# KiCad board HermEIS.kicad_pcb (continued)
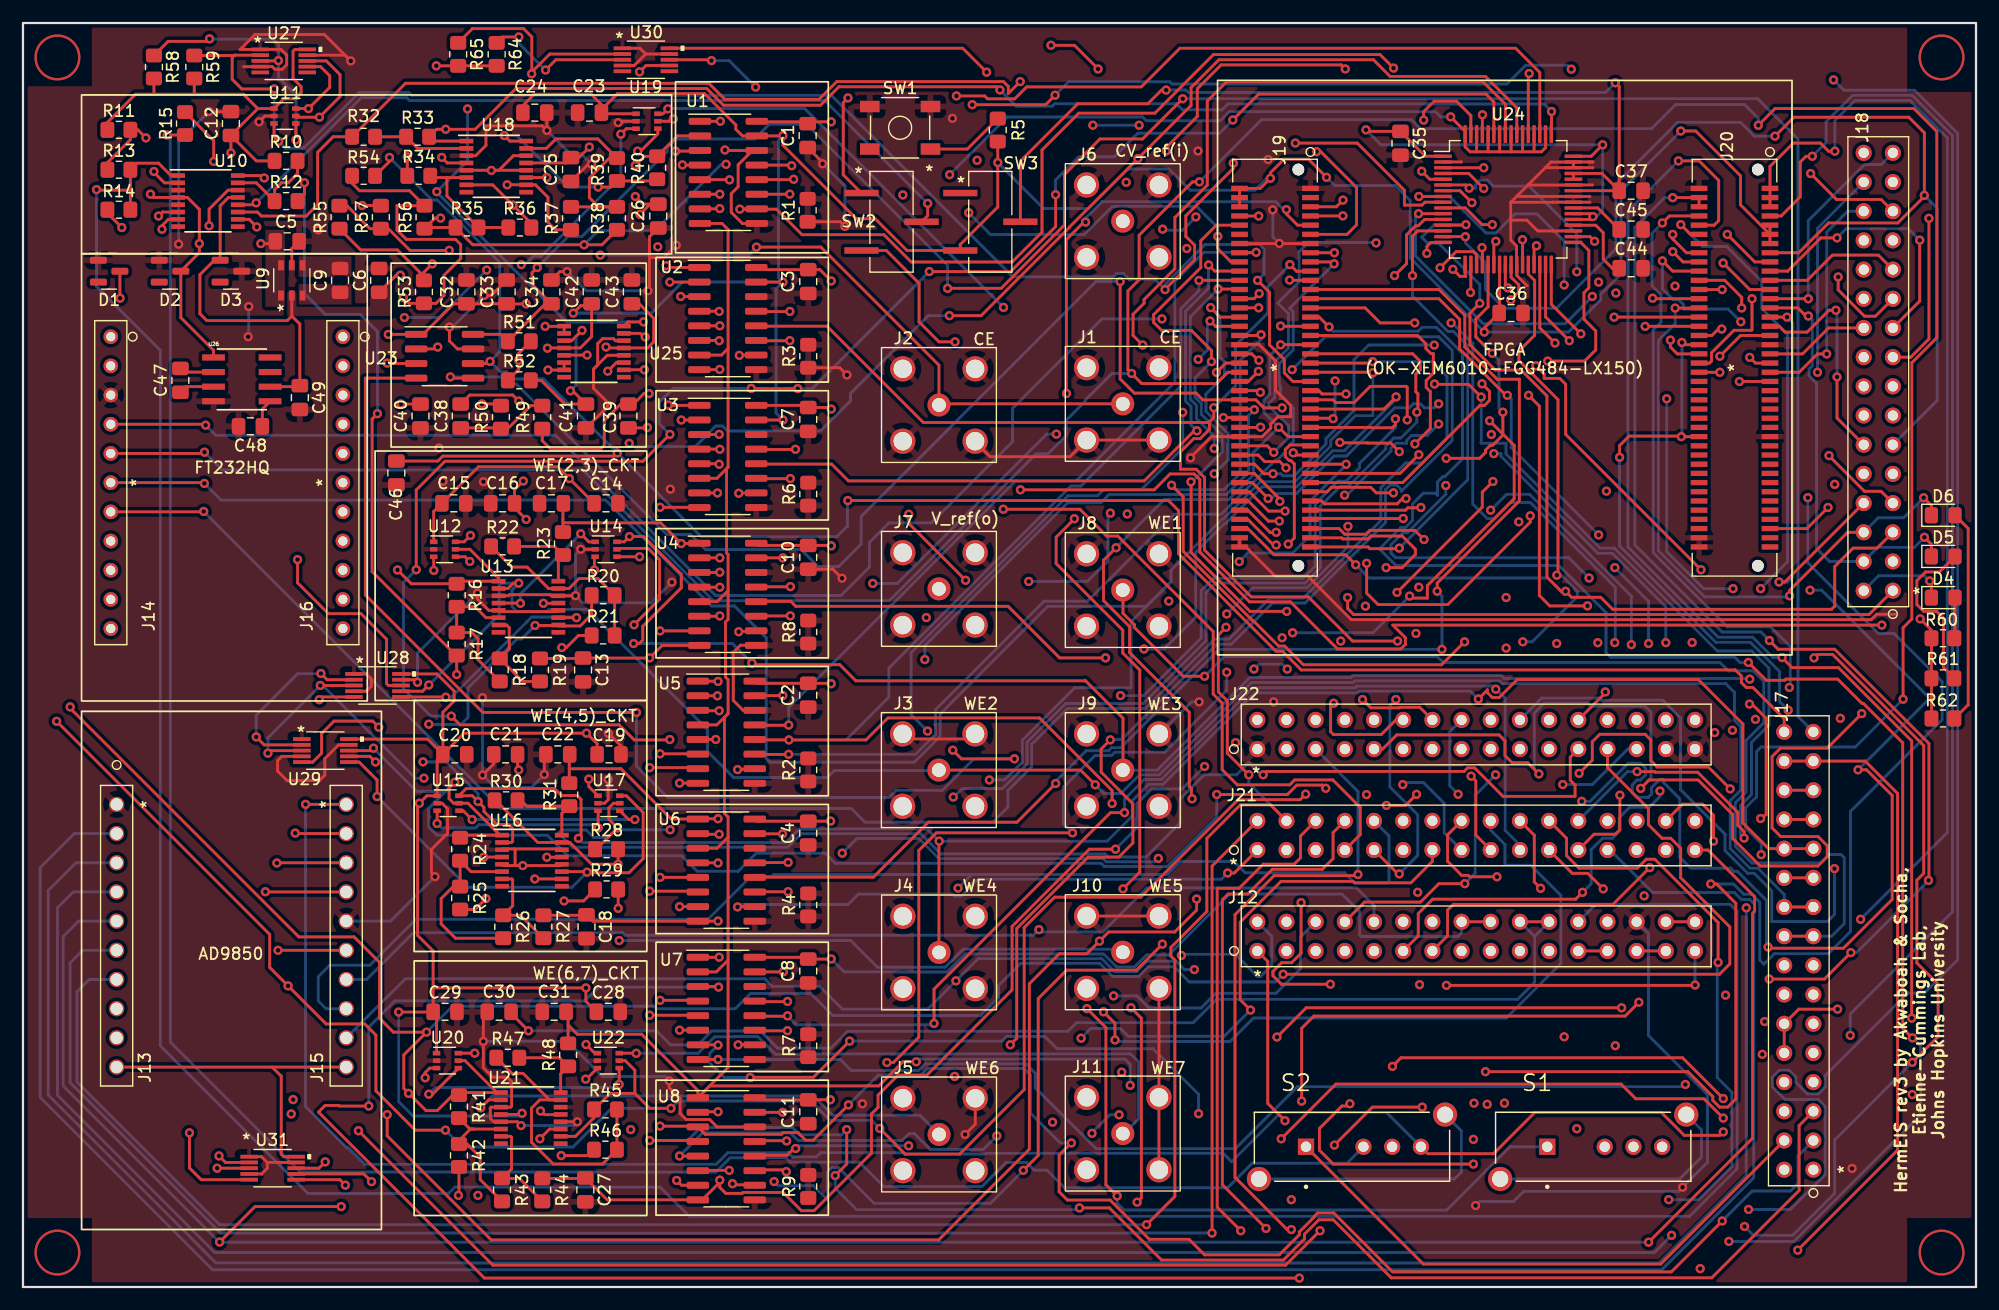
[diagram p0: board, top side]
## Routing (per net, layer and track width the routed paths; a pad name or vN(x,y) marks a point on that pad's centre or on a via; arc(x,y) is an arc through that point) (continued)
/CV_DAC: length 178.6
  Top w0.25: v2(71.8,68.44) 99.71,68.44 100.58,67.57 100.58,63.81 109.07,55.33 109.64,55.33 111.26,53.7 149.05,53.7 149.57,53.18 149.57,52.6 150,52.18 150.57,52.18 153.3,49.45 153.3,48.31 ; v2(31.9,98.3) 31.9,97.95 R54.1 ; U23.6 40.47,80.37 v2(40.65,80.55) ; v2(51.73,72.58) 51.46,72.31 36.54,72.31 36.11,71.88 C46.1
  Bottom w0.25: v2(31.9,98.3) 35.61,94.6 36.06,94.6 41.5,89.15 41.5,81.4 v2(40.65,80.55) 41.55,79.65 42.09,79.65 42.71,79.03 45.3,79.03 59.03,65.3 70.84,65.3 71.76,66.22 71.76,68.4 v2(71.8,68.44)
/CV_ref: length 156.7
  Top w0.25: v2(81.13,82.26) 79.73,82.26 78,83.99 78,87.35 75.15,90.2 SW2.3 ; v2(96.44,24.31) 97.35,23.4 97.35,7.75 v2(96.98,7.38)
  In1.Cu w0.25: v2(96.44,24.31) 96.44,24.36 97.1,25.02 97.1,32.34 97.32,32.56 97.32,36.68 96.62,37.38 96.62,40.28 97.14,40.8 97.14,54.93 92.23,59.84 81.48,59.84 79.89,58.26 v2(78.63,58.26) ; S1.2 137.68,11.13 132.12,5.57 126.14,5.57 123.08,8.63 109.82,8.63 107.89,6.7 97.67,6.7 v2(96.98,7.38)
  In2.Cu w0.25: v2(78.63,58.26) 78.63,58.36 76.63,60.36 76.63,61.46 81.16,65.99 81.16,82.23 v2(81.13,82.26)
/CV_S1: length 139
  Top w0.25: v2(95.75,34.65) 97.21,36.11 97.21,53.69 95.73,55.17 95.73,57.16 89.93,62.96 89.93,65.26 91.51,66.84 v2(91.51,66.86) ; v2(95.24,7.93) 94.26,8.91 94.26,22.58 v2(92.61,24.23)
  In1.Cu w0.25: v2(92.61,24.23) 91.82,24.23 90.22,25.83 90.22,32.83 92.05,34.65 v2(95.75,34.65) ; 95.75,92.68 94.63,91.56 94.63,79.57 90.83,75.77 90.83,67.54 v2(91.51,66.86)
  Bottom w0.25: S1.1 129.44,12.21 123.93,6.7 95.83,6.7 95.24,7.28 v2(95.24,7.93)
/CV_S2: length 320.4
  Top w0.25: v2(112.9,4.9) 109.9,1.9 40.9,1.9 v2(29.2,13.6) ; R57.2 31.13,94.12 v2(29.52,94.12) ; v2(54.01,83.99) 52.67,83.99 U25.16
  In1.Cu w0.25: v2(29.2,13.6) 25.9,16.9 25.9,43.3 18.1,51.1 5.3,51.1 3,53.4 3,100.2 8.11,105.31 37.49,105.31 38.7,104.1 v2(38.7,102.53) ; S1.3 132.88,4.9 v2(112.9,4.9)
  In2.Cu w0.25: S1.3 142.17,10.21 J17.B1 ; v2(36.02,95.32) 34.82,94.12 v2(29.52,94.12)
  Bottom w0.25: v2(38.7,102.53) 38.7,98 v2(36.02,95.32) 36.02,95.27 47.3,83.99 v2(54.01,83.99)
/D7: length 9.1
  Top w0.25: J20.37 154.91,81.21 157.16,83.46 J18.B10
/D8: length 15.5
  Top w0.25: v2(150.3,80.9) 150.79,80.41 J20.39
  In1.Cu w0.25: v2(150.3,80.9) 153.4,80.9 157.07,84.58 157.07,85.39 J18.B12
/D9: length 28.2
  Top w0.25: J20.32 141.21,83.61 v2(141.2,83.6)
  In1.Cu w0.25: J18.B7 146.86,75.84 141.2,81.5 v2(141.2,83.6)
/D10: length 22.6
  Top w0.25: J20.38 143.99,81.21 143.4,81.8 v2(143.4,82.4)
  In2.Cu w0.25: J18.B11 157.32,83.1 149.16,83.1 147.96,84.3 145.3,84.3 v2(143.4,82.4)
/D11: length 30.2
  Top w0.25: v2(147.7,79.6) 145.9,79.6 J20.42
  In1.Cu w0.25: v2(156.2,79.6) 154.5,77.9 149,77.9 147.7,79.2 v2(147.7,79.6)
  Bottom w0.25: v2(156.2,79.6) 156.2,92.14 J18.B15
/D14: length 37
  Top w0.25: v2(165.51,65.25) 166.12,64.64 166.12,63.62 ; J20.27 154.49,85.21 155.2,84.5 v2(155.4,84.5)
  Bottom w0.25: v2(165.51,65.25) 164.63,64.37 161.45,64.37 J18.B2 157.26,63.14 156.12,64.28 156.12,78.65 155.47,79.3 155.47,79.9 155.75,80.18 155.75,84.15 v2(155.4,84.5)
/D17: length 20.5
  Top w0.25: J20.33 149.51,82.81 v2(147.7,81)
  In2.Cu w0.25: v2(147.7,81) 148.42,80.28 148.42,78.33 148.4,78.3 149.02,77.68 159.52,77.68 J18.B8
/D20: length 78.7
  Top w0.25: v2(107.6,86.45) 107.16,86.01 J19.26 ; v2(139,42.8) 139,39.8 138.6,39.4 136.75,39.4 J21.A12
  In1.Cu w0.25: v2(138.55,56.08) 138.94,55.68 138.94,42.86 v2(139,42.8)
  In2.Cu w0.25: v2(107.6,86.45) 107.91,86.76 116.37,86.76 118.05,85.08 123.13,85.08 v2(124.31,83.9)
  Bottom w0.25: v2(138.55,56.08) 138.6,56.13 138.6,60.88 131.21,68.27 129.45,68.27 128.05,66.88 127.45,66.88 126.2,68.12 126.2,82.1 124.4,83.9 v2(124.31,83.9)
/D21: length 144.7
  Top w0.25: v2(130.52,91.14) 130.53,91.13 130.53,88.98 ; v2(119.29,69.11) 117.79,69.11 117.31,69.59 113.9,69.59 113.51,69.2 J19.67 ; v2(131.7,80.16) 132.41,79.45 132.41,79.08 133.76,79.08 134.28,78.56 134.28,74.2 v2(146.06,62.42)
  In1.Cu w0.25: v2(119.29,69.11) 121.1,70.93 124.48,70.93 126.53,72.98 127.45,72.98 127.72,73.25 128.11,73.25 128.57,73.71 128.57,73.74 132.18,77.35 132.18,77.5 130.52,79.16 130.52,80.7 ; v2(158.19,49.49) 153.71,53.97 152.9,53.97 146.06,60.81 v2(146.06,62.42) ; 130.52,80.7 131.16,80.7 v2(131.7,80.16) ; 130.52,80.7 v2(130.52,91.14)
  In2.Cu w0.25: v2(157.68,36.41) 157.68,48.98 v2(158.19,49.49)
  Bottom w0.25: v2(157.68,36.41) 157.68,32.42 157.06,31.8 152.23,31.8 152.22,31.81 152.22,34.47 150.69,36 150.13,36 148.15,37.98 148.15,39.41 144.28,43.28 144.28,49.52 142.74,51.06 137.43,51.06 137.24,51.25 132.2,51.25 J22.B10
/D22: length 70.8
  Top w0.25: J19.69 113.04,68.4 113.29,68.16 119.61,68.16 120.07,68.61 v2(120.39,68.61) ; J22.B12 137.73,51.7 v2(137.73,51.79) ; 131.53,88.98 131.53,90.4 v2(131.74,90.61)
  In1.Cu w0.25: v2(137.73,51.79) 137.83,51.79 138.2,52.16 138.2,54.95 v2(137.08,56.07) ; v2(130.2,66.59) 129.79,66.19 119.83,66.19 119.42,66.59 119.42,68.1 119.93,68.61 v2(120.39,68.61)
  In2.Cu w0.25: v2(131.74,90.61) 131.74,87.11 130.2,85.57 v2(130.2,66.59) 135.29,61.5 135.29,59.97 135.45,59.81 135.45,58.98 135.88,58.55 136.3,58.55 137.08,57.77 v2(137.08,56.07)
/D_0: length 240.4
  Top w0.25: J21.B4 114.04,39.55 114.04,37.29 113.1,36.35 108.75,36.35 106.6,34.2 104.9,34.2 104.4,33.7 104.4,8.9 v2(108.2,5.1) ; v2(121.3,42.87) 120.34,41.91 v2(118.68,41.91) ; v2(99.98,69.77) 100.99,68.76 100.99,64.03 107.06,57.95 107.12,57.95 109.3,55.78 109.83,55.78 111.45,54.15 123.48,54.15 v2(125.48,56.15) ; J19.34 107.7,82.81 v2(107.77,82.87)
  In1.Cu w0.25: J13.9 6.68,21.68 6.1,21.1 6.1,19.8 19.7,6.2 107.1,6.2 v2(108.2,5.1) ; J21.B4 116.4,41.91 v2(118.68,41.91)
  In2.Cu w0.25: v2(121.3,42.87) 122.39,43.96 125.52,43.96 125.75,43.73 127.07,43.73 127.08,43.74 127.08,44.55 126.42,45.21 126.42,50.4 125.48,51.34 v2(125.48,56.15)
  Bottom w0.25: v2(107.77,82.87) 107.77,82.46 105.95,80.65 105.95,70.8 104.54,69.39 100.36,69.39 v2(99.98,69.77)
/D_1: length 300.3
  Top w0.25: J19.33 121.38,82.81 122.12,82.07 122.12,81.67 122.54,81.24 122.73,81.24 122.76,81.21 122.76,79.5 122.14,78.88 122.14,78.28 122.5,77.92 122.5,74.71 v2(121.16,73.37) ; J21.B3 111.2,39.25 111.2,37.35 110.65,36.8 107.96,36.8 105.86,34.7 103.95,34.7 103.95,6.95 v2(106,4.9)
  In1.Cu w0.25: J13.8 5.92,24.22 5.1,23.4 5.1,17.3 18.43,3.98 105.08,3.98 v2(106,4.9)
  In2.Cu w0.25: v2(100.94,76.12) 101.43,76.12 103.86,78.55 109.64,78.55 110.01,78.17 114.49,78.17 114.87,78.55 115.5,78.55 120.67,73.37 v2(121.16,73.37) ; v2(78.74,48.38) 78.26,47.9 78.26,33.94 96.09,16.11 96.09,15.16 102.83,8.43 103.67,8.43 106,6.1 v2(106,4.9)
  Bottom w0.25: v2(100.94,76.12) 100.94,73 97.33,69.39 94.06,69.39 93.54,68.87 90.96,68.87 77.3,55.2 77.3,49.82 v2(78.74,48.38)
/D_2: length 208.6
  Top w0.25: v2(104.72,57.41) 104.05,56.74 104.05,51.79 104.83,51.01 104.83,46.45 v2(106.7,44.58) ; J19.32 103.79,83.61 v2(103.33,84.07) ; J21.B2 108.59,41.96 105.96,41.96 103.05,39.05 103.05,32.68 99.92,29.55 99.92,28.8 100.27,28.45 100.27,7.89 v2(97.8,5.42)
  In1.Cu w0.25: v2(104.72,57.41) 104.72,57.43 104.06,58.09 104.06,58.64 102.8,59.9 102.8,65.12 100.98,66.94 100.98,70.47 102.45,71.94 102.45,72.57 99.68,75.34 99.68,76.47 101.81,78.6 101.81,80.24 v2(102.29,80.73)
  Bottom w0.25: v2(106.7,44.58) 106.7,43.85 J21.B2 ; v2(97.8,5.42) 17.11,5.42 4.7,17.84 4.7,25.7 5.76,26.76 J13.7 ; v2(102.29,80.73) 103.09,81.53 103.09,83.83 v2(103.33,84.07)
/D_3: length 308.9
  Top w0.25: v2(103.5,4.7) 103.5,36.63 J21.B1 ; v2(109.47,83.63) 109.49,83.61 J19.31
  In1.Cu w0.25: v2(109.47,83.63) 109.45,83.61 106.92,83.61 106.11,82.8 101.82,82.8 101.29,83.33 101.29,88.2 102.39,89.3 102.39,91.2 100.54,93.06 100.54,97.42 100.44,97.52 96.75,97.52 96.7,97.56 96.29,97.56 89.95,91.22 v2(89.95,74.22)
  In2.Cu w0.25: v2(103.5,4.7) 102.07,4.7 102.06,4.7 101.51,4.7 94.45,11.76 94.45,16.6 80.16,30.88 76.02,30.88 75.19,31.71 75.19,58.17 76.01,58.99 76.21,58.99 v2(73.97,61.23)
  Bottom w0.25: v2(89.95,74.22) 89.09,74.22 76.11,61.23 v2(73.97,61.23) ; J13.6 5.2,29.3 4.1,28.2 4.1,17.8 17.2,4.7 v2(103.5,4.7)
/D_4: length 366.6
  Top w0.25: v2(17.11,3.91) 20.2,7 v2(27.7,7) ; J21.A16 146.67,38.03 150.72,33.98 150.72,32.7 150.55,32.52 150.55,12.95 v2(141.5,3.9) ; J19.30 104.2,84.41 v2(103.38,85.23) ; v2(91.35,39.53) 79.51,39.53 77.98,37.99 77.98,21.74 75.77,19.54 v2(75.2,19.54)
  In1.Cu w0.25: v2(39.6,7.98) 67.38,7.98 74.34,14.94 74.34,18.68 v2(75.2,19.54)
  In2.Cu w0.25: v2(39.6,7.98) 38.62,7 v2(27.7,7) ; v2(104.77,53.5) 102.8,55.47 102.8,57.05 100.98,58.87 100.98,66.85 103.69,69.56 v2(103.69,70.78)
  Bottom w0.25: v2(104.77,53.5) 104.77,51.93 99.38,46.53 95.04,46.53 94.76,46.26 93.32,46.26 90.56,43.5 90.56,40.32 v2(91.35,39.53) ; v2(141.5,3.9) 17.1,3.9 3.5,17.5 3.5,30.5 4.84,31.84 J13.5 ; v2(103.69,70.78) 103.7,70.78 104.89,71.97 104.89,74.29 102.97,76.21 102.97,77.06 102.95,77.08 102.95,77.69 104.57,79.31 104.57,80.54 104.2,80.91 104.2,84.41 v2(103.38,85.23)
/D_5: length 362.4
  Top w0.25: v2(164.47,21.68) 164.46,21.68 163.62,22.52 163.62,47.36 160.18,50.79 160.07,50.79 157.96,52.9 153.45,52.9 153.35,52.8 151.74,52.8 v2(150.19,54.35) ; v2(113.68,83.55) 112.83,84.41 J19.29
  In1.Cu w0.25: v2(148.49,3.97) 144.03,3.97 v2(143.5,4.5) 150.5,11.5 150.5,27.76 149.57,28.69 149.57,31.54 150.72,32.7 150.72,33.78 150.15,34.35 145.37,34.35 143,36.72 J21.A15
  Bottom w0.25: v2(143.5,4.5) 142,3 16.7,3 3,16.7 3,33 4.38,34.38 J13.4 ; v2(113.68,83.55) 114.06,83.18 121.44,83.18 121.77,83.51 123.04,83.51 125.3,81.25 125.3,72.05 123.76,70.51 123.58,70.51 123.13,70.05 123.13,68.9 122.94,69.09 121.9,69.09 120.95,68.14 120.95,66.73 120.32,66.09 119.93,66.09 118.12,64.28 118.12,64.18 119.52,62.78 133.7,62.78 137.8,58.68 137.8,55.2 138.19,54.81 148.99,54.81 149.47,54.33 149.86,54.33 149.88,54.35 v2(150.19,54.35) ; v2(148.49,3.97) 148.5,3.96 154.15,3.96 165.17,14.99 165.17,20.98 v2(164.47,21.68)
/D_6: length 304.2
  Top w0.25: v2(107.56,85.21) 105.9,85.21 J19.28
  In1.Cu w0.25: J21.A14 140.46,36.04 142.6,33.9 149.1,33.9 v2(150,33)
  In2.Cu w0.25: J21.A14 141.8,39.37 141.8,40.82 142.58,41.59 143.49,41.59 149.1,47.2 150.35,47.2 150.35,48.82 145.42,53.75 136.7,53.75 135.66,54.79 135.66,57.16 125.6,67.22 125.6,81.58 122.52,84.67 117.09,84.67 115.5,86.26 108.6,86.26 v2(107.56,85.21)
  Bottom w0.25: v2(150,33) 150,9.7 142.4,2.1 16.8,2.1 2.2,16.7 2.2,34.5 4.62,36.92 J13.3
/D_7: length 325.8
  Top w0.25: J19.27 116.83,85.21 118.13,83.9 v2(121.14,83.9) ; v2(136.18,59.28) 132.89,59.28 131.99,60.18 131.99,76.66 v2(131.05,77.6)
  In1.Cu w0.25: v2(131.05,77.6) 130.32,76.88 128.9,76.88 128.47,77.3 128.44,77.3 124.79,73.65 122.41,73.65 122.05,74.01 122.05,77.57 123.11,77.58 123.59,78.05 123.59,79.16 121.14,81.61 v2(121.14,83.9)
  In2.Cu w0.25: J21.A13 139.3,36.65 139.75,36.65 140.85,35.55 142.64,35.55 144.3,37.21 144.3,38.24 145.5,39.44 146.44,39.44 151.55,44.55 151.55,49.6 151.5,49.6 151.5,49.8 151.17,50.13 151.17,51.63 151.07,51.73 149.81,51.73 149.12,52.41 149.12,52.54 146.46,55.2 140.33,55.2 140.3,55.18 139.7,55.18 139.27,55.6 139.27,57.16 137.15,59.28 v2(136.18,59.28)
  Bottom w0.25: J21.A13 138.15,38.03 141.85,34.33 148.97,34.33 149.57,33.73 150.3,33.73 150.72,33.3 150.72,32.7 150.65,32.62 150.65,9.51 142.64,1.5 16.5,1.5 1.5,16.5 1.5,36.5 4.46,39.46 J13.2
/DAC1_LDAC: length 168.2
  Top w0.25: v2(95.5,87.5) 95.5,79.03 96.74,77.79 102.11,77.79 102.69,77.2 J19.48 107.31,77.2 108.01,76.51 v2(109.6,76.51) ; U23.5 37.31,79.1 v2(37.2,79.2)
  In1.Cu w0.25: v2(150.8,49.4) 150.15,49.4 145.99,53.56 145.99,54.11 143.3,56.8 135.14,56.8 134.34,56 v2(133.5,56)
  In2.Cu w0.25: v2(133.5,56) 133.5,56.78 123.8,66.48 123.8,68.01 120.29,71.52 119.18,71.52 114.39,76.31 109.79,76.31 v2(109.6,76.51) ; v2(150.8,49.4) 150.8,46.9 147.88,43.98 147.88,42.9 J21.B16
  Bottom w0.25: v2(95.5,87.5) 93.4,87.5 72.96,67.06 72.96,64.66 71,62.7 69.2,62.7 67.73,64.18 59.42,64.18 58.11,65.49 56.03,65.49 42.94,78.58 42.52,78.58 41.9,79.2 v2(37.2,79.2)
/DAC1_NCS: length 261.1
  Top w0.25: U23.2 35.94,81.64 v2(36.1,81.8) ; v2(119.52,77.46) 118.47,76.4 J19.49
  In1.Cu w0.25: J12.B1 98.46,22.81 90.47,22.81 90.45,22.79 90.17,23.06 82.41,23.06 77.16,17.81 76.02,17.81 75.2,17 75.2,15.85 76.02,15.04 77.07,15.04 69.18,7.15 35.9,7.15 34.28,8.77 34.28,36.26 32.3,38.24 32.3,53.3 36.5,57.5 36.5,62.65 32.17,66.98 32.17,77.21 33.65,78.69 33.65,80.65 34.8,81.8 v2(36.1,81.8) ; v2(100.83,28.86) 98.96,28.86 98.5,29.32 98.5,30.56 98.72,30.79 99.84,30.79 100.9,31.85 100.9,33.74 97.12,37.52 100.91,41.31 100.91,48.11 99.21,49.81 99.21,53.88 v2(97.57,55.52)
  Bottom w0.25: v2(97.57,55.52) 99.33,55.52 102.08,58.28 102.08,63.95 104.56,66.43 104.65,66.43 107.86,69.64 110.86,69.64 114,72.78 115.02,72.78 119.52,77.27 v2(119.52,77.46) ; v2(100.83,28.86) 100.83,28.93 100.85,28.95 105.52,28.95 107.45,27.03 107.73,27.03 108.7,28 108.7,30.53 J12.B1
/DAC1_SCK: length 254.8
  Top w0.25: v2(107.18,76.34) 107.12,76.4 J19.50 ; v2(102.16,33.77) 102.16,32.81 100.26,30.9 94.5,30.9 v2(93.7,30.1) 92.6,29 90.2,29 87.6,26.4 87.6,12 79.7,4.1 40.75,4.1 31.7,13.15 v2(31.7,15) ; U23.3 31.74,80.37 v2(31.7,80.4)
  In1.Cu w0.25: v2(93.7,30.1) 96.5,32.9 96.5,34.93 96.05,35.38 91.31,35.38 80.2,46.49 80.2,48.75 78.5,50.45 v2(78.5,54.6) ; v2(31.7,80.4) 29.9,78.6 29.9,59.9 31.7,58.1 v2(31.7,15)
  In2.Cu w0.25: J12.B2 108.96,30.76 105.16,30.76 v2(102.16,33.77)
  Bottom w0.25: v2(78.5,54.6) 78.5,55.82 90.93,68.26 93.83,68.26 94.55,68.98 104.76,68.98 106.69,70.9 106.69,71.86 106.67,71.88 106.67,75.83 v2(107.18,76.34)
/DAC1_SDI: length 237.4
  Top w0.25: J19.51 114,75.6 v2(114.04,75.57) ; U23.4 29.8,79.1 29.8,60.22 40.02,50 v2(53.4,50) ; v2(80.94,46.72) 81.69,45.97 v2(86.3,45.97)
  In1.Cu w0.25: v2(94.65,67.35) 94.23,67.76 94.23,78.25 95.67,79.69 95.67,86.7 96.19,87.22 96.19,90.08 97.67,91.57 97.67,92.83 98.24,93.4 98.98,93.4 101.3,91.08 v2(101.3,90.37)
  In2.Cu w0.25: v2(114.21,78.86) 113.69,78.86 113.57,78.74 110.02,78.74 109.79,78.98 106.18,78.98 103.74,81.41 102.03,81.41 101.09,82.35 101.09,83.99 98.68,86.4 98.68,87.19 101.3,89.81 v2(101.3,90.37) ; v2(86.3,45.97) 86.3,43.9 87.11,43.09 87.11,31.45 89.53,29.04 92.07,29.04 94.93,26.18 v2(94.93,25.34) ; v2(80.94,46.72) 80.94,48.79 87.55,55.4 v2(87.55,61.4)
  Bottom w0.25: J12.B3 111.2,30.47 111.2,27.7 109.06,25.56 103.84,25.56 102.55,24.28 98.01,24.28 96.95,25.34 v2(94.93,25.34) ; v2(94.65,67.35) 94.44,67.14 94.44,63.2 92.65,61.41 87.55,61.41 v2(87.55,61.4) ; v2(53.4,50) 53.4,45.32 56.12,42.6 75.38,42.6 76,43.22 80.02,43.22 82.77,45.97 v2(86.3,45.97) ; v2(114.04,75.57) 114.21,75.74 v2(114.21,78.86)
/E16: length 19.4
  Top w0.25: J20.31 152.87,83.61 153.37,83.1 155.3,83.1 157.2,85 v2(157.8,85) ; J18.B6 157.9,75.62 v2(157.9,79.2)
  Bottom w0.25: v2(157.8,85) 157.9,84.9 v2(157.9,79.2)
/E20: length 89
  Top w0.25: v2(109.86,67.53) 108.42,67.53 106.74,69.21 105.9,69.21 J19.68 ; v2(133.51,61.95) 133.61,62.05 133.61,77.22 130.21,80.63 130.21,81.45 131.58,82.82 131.58,87.59 131.03,88.14 131.03,88.98
  In1.Cu w0.25: v2(130.55,56.15) 130.35,56.35 130.35,60.41 129.51,61.25 127.51,61.25 121.66,55.4 119.44,55.4 117.9,56.94 114.61,56.94 107.99,63.56 107.99,66.58 108.94,67.53 v2(109.86,67.53)
  In2.Cu w0.25: J22.B11 132.84,53.86 v2(130.55,56.15)
  Bottom w0.25: v2(130.55,56.15) 131.37,56.15 135.3,60.08 135.3,60.54 133.9,61.95 v2(133.51,61.95)
/E22: length 135
  Top w0.25: v2(133.35,82.15) 132.03,83.47 132.03,88.98 ; J19.70 106.65,68.4 108.4,66.66 v2(109.36,66.66)
  In1.Cu w0.25: v2(147.25,48.25) 147.2,48.3 147.2,49 148,49.8 148.6,49.8 149.8,48.6 151.05,48.6 151.8,49.35 151.8,50.37 148.4,53.77 148.4,55.35 142.05,61.7 v2(136.32,61.7) 135.26,62.76 128.39,62.76 121.48,55.85 121.04,55.85 119.5,57.39 114.81,57.39 108.4,63.8 108.4,65.96 109.1,66.66 v2(109.36,66.66) ; v2(133.35,82.15) 134.15,81.35 134.15,74.65 128.6,69.1 124.5,69.1 v2(123.85,69.75)
  In2.Cu w0.25: J22.B13 139.27,48 147,48 v2(147.25,48.25)
  Bottom w0.25: v2(136.32,61.7) 134.55,63.47 119.47,63.47 119.08,63.86 119.08,64.6 120.12,65.64 120.51,65.64 123.85,68.99 v2(123.85,69.75)
/EIS_S3: length 217.1
  Top w0.25: U25.6 U25.7 47.09,79.8 v2(45.7,79.8) ; v2(43.15,77.1) 42.62,77.63 38.89,77.63 C38.2 ; J17.B2 142.55,2 121.89,2 S2.1
  In1.Cu w0.25: v2(95.41,14.99) 95.41,14.99 100.25,14.99 101.44,13.79 110.09,13.79 S2.1 ; v2(52.9,13.7) 51.5,12.3 46.4,12.3 45.7,11.6 44.7,11.6 43.9,12.4 43.9,13.1 45.2,14.4 45.7,14.4 48.1,16.8 48.1,38.2 46.1,40.2 46.1,59.78 50.6,64.28 50.6,69.6 43.15,77.05 v2(43.15,77.1)
  In2.Cu w0.25: v2(52.9,13.7) 52.9,9.1 54.99,7.01 85.78,7.01 87.78,9.02 87.78,13.47 89.34,15.03 90.59,15.03 91.55,14.08 92.35,14.08 v2(93.05,13.37) ; v2(45.7,79.8) 43.15,77.25 v2(43.15,77.1)
  Bottom w0.25: v2(93.05,13.37) 93.05,13.43 94.6,14.99 v2(95.41,14.99)
/F21: length 91.9
  Top w0.25: v2(128.82,76.13) 128.82,74.14 127.93,73.25 127.72,73.25 127.3,72.83 127.3,72.62 126.8,72.12 v2(123.88,72.12) ; v2(121.5,72.43) 119.87,70.8 J19.63 ; v2(127.89,81.25) 126.46,82.68 126.46,84.23 127.53,85.3 127.53,88.98 ; v2(114.08,50.8) 113.82,50.54 113.82,48.33 114.07,48.08 118.23,48.08 119.5,49.35 J22.B6 ; v2(120.7,60.13) 120.88,59.95 122.24,59.95 122.24,61.04 129.8,68.6 129.8,73.24 v2(127.66,75.38)
  In1.Cu w0.25: v2(127.66,75.38) 127.15,75.38 124.2,72.43 v2(121.5,72.43) 121.81,72.12 v2(123.88,72.12)
  In2.Cu w0.25: v2(110.51,56.94) 110.51,56.23 113.54,53.19 113.54,51.35 v2(114.08,50.8)
  Bottom w0.25: v2(127.89,81.25) 128.47,80.67 128.47,76.48 v2(128.82,76.13) ; v2(110.51,56.94) 117.51,56.94 v2(120.7,60.13)
/F22: length 189.6
  Top w0.25: 129.03,88.98 129.03,87.17 v2(129.25,86.95) ; J19.65 120.09,70 126.82,76.73 127.22,76.73 127.65,77.15 127.65,77.95 v2(127,78.6) ; v2(151.9,29.58) 152,29.48 158.45,29.48 162.7,33.73 162.7,42.78 160.47,45.01 v2(159.73,45.01)
  In1.Cu w0.25: v2(129.25,86.95) 128.77,86.47 128.77,80.38 v2(127,78.6) ; v2(135.68,42.26) 135.06,42.88 v2(124.92,42.88)
  In2.Cu w0.25: v2(155.55,60.64) 146.34,69.85 142.71,69.85 141.33,68.48 136.45,68.48 136.05,68.87 136.32,69.15 136.32,83.92 132.82,87.42 132.82,91.01 131.77,92.06 129.6,92.06 129.25,91.71 v2(129.25,86.95)
  Bottom w0.25: v2(155.55,60.64) 156.56,60.64 165.98,51.22 165.94,51.22 v2(159.73,45.01) ; v2(135.68,42.26) 136.41,42.26 139.72,45.58 140.8,45.58 141.25,45.13 141.25,44.57 140.8,44.13 140.49,44.13 140.07,43.7 140.07,42.98 140.44,42.61 141.47,42.61 141.76,42.9 141.76,43.46 142.46,44.16 142.78,44.16 142.78,43.93 144.21,42.5 144.21,37.4 145.16,36.45 148.65,36.45 148.93,36.17 149.24,36.17 151.77,33.64 151.77,29.71 v2(151.9,29.58) ; J22.B8 124.2,48.33 124.2,43.61 124.89,42.92 124.89,42.91 v2(124.92,42.88)
/F_EIS_DDS: length 197.7
  Top w0.25: v2(100.95,103.41) 97.45,99.91 93.74,99.91 90.65,96.82 90.65,92.41 85.15,86.91 v2(80.48,86.91) ; v2(44.76,88.72) 44.31,88.27 44.31,87.25 C34.1 45.46,85.56 R51.1 41.59,82.91 U23.8
  Bottom w0.25: v2(80.48,86.91) 80.48,88.91 68.2,101.19 64.96,101.19 63.68,99.91 56.83,99.91 56.08,99.15 56.08,98.84 48.67,91.43 47.47,91.43 v2(44.76,88.72) ; v2(100.95,103.41) 150.99,103.41 154.5,99.9 154.5,49.65 155.84,48.31
/F_RST_I: length 66.3
  Top w0.25: J19.54 107.7,74.8 v2(107.72,74.83)
  In1.Cu w0.25: v2(109.6,56.5) 108.88,55.78 107.6,55.78 107,56.37 107,74.11 v2(107.72,74.83)
  In2.Cu w0.25: v2(109.6,56.5) 109.6,55.08 110.18,54.5 110.35,54.5 110.88,53.97 110.88,52.89 113.7,50.07 113.7,44.13 114.6,43.23 114.6,42.7 114.41,42.51 113.06,42.51 111.95,43.62 111.35,43.62 110.7,42.97 110.7,41.3 111.5,40.5 111.5,37.5 113.92,35.08 122.13,35.08 122.5,34.7 122.5,34.15 J12.B6
/F_RST_O: length 195.1
  Top w0.25: v2(131.2,67.11) 131.2,66.56 124.03,59.39 117.95,59.39 116.96,60.38 v2(116.96,62.98) ; v2(110.13,64.65) 110.66,65.18 110.66,71.63 110.37,71.91 110.23,71.91 109.88,72.26 109.88,72.88 110.28,73.28 111.99,73.28 J19.57 ; v2(127.3,18.74) 144.92,18.74 147.09,16.57 147.09,16.25 147.68,15.66 148.39,15.66 149.09,16.36 149.09,33.39 147.41,35.07 v2(146.91,35.07)
  In1.Cu w0.25: v2(121.56,26.31) 121.45,26.42 121.45,30.56 J12.B7 ; v2(155.36,68.69) 145.04,68.69 140,73.73 137.02,73.73 130.99,67.7 130.99,67.32 v2(131.2,67.11)
  In2.Cu w0.25: v2(127.3,18.74) 127.31,18.74 126.24,18.74 121.56,23.42 v2(121.56,26.31) ; v2(110.13,64.65) 115.29,64.65 v2(116.96,62.98)
  Bottom w0.25: v2(146.91,35.07) 148.89,35.07 149.78,34.18 150.49,34.18 151.17,33.49 151.17,28.46 151.53,28.1 152.45,29.01 157.14,29.01 159.07,30.94 159.07,41.39 167.05,49.37 167.05,52.69 162.87,56.88 161.5,56.88 155.36,63.01 v2(155.36,68.69)
/F_VREF_1: length 66.9
  Top w0.25: v2(101.66,70.07) 101.68,70.05 101.68,63.92 106.8,58.8 v2(110,58.8) ; J19.10 103.88,92.41 102.52,91.05 102.52,88.71 98.79,84.98 98.78,84.98 98.42,84.62 98.42,83.95 99.12,83.25 101.7,83.25 103.45,81.5 v2(103.45,80.53)
  In2.Cu w0.25: v2(110,58.8) 110.41,58.8 114.7,54.5 114.7,51.85 116.25,50.3 116.25,49.2 117.4,48.05 118.9,48.05 J22.A6
  Bottom w0.25: v2(101.66,70.07) 101.76,70.07 104.38,72.69 104.38,74.14 102.56,75.96 102.56,76.89 102.02,77.43 102.02,79.1 v2(103.45,80.53)
/FQ_UD: length 194.7
  Top w0.25: J19.37 112.08,81.22 120.96,81.22 121.61,80.56 121.61,79.82 121.24,79.45 121.24,77.91 121.42,77.73 121.42,76.23 v2(121.33,76.13)
  In1.Cu w0.25: v2(81.39,34.71) 81.39,38.97 80.98,39.38 v2(80.98,42.64)
  Bottom w0.25: 82.61,35.9 99.61,35.9 100.74,37.03 105.41,37.03 106.39,36.05 115.02,36.05 115.9,35.18 118.77,35.18 118.9,35.3 118.9,39.27 J21.B5 ; 82.61,35.9 65.33,35.9 65.15,35.73 63.35,35.73 59.62,32 34.2,32 30.2,28 26.7,28 25.7,27 25.7,24.9 26.4,24.2 26.42,24.22 J15.8 ; 82.61,35.9 82.58,35.9 v2(81.39,34.71) ; v2(121.33,76.13) 121.33,75.27 119.93,73.87 119.31,73.87 118.63,73.19 118.63,72.94 115.36,69.68 114.64,69.68 112.93,67.96 112.93,62.59 111.6,61.26 103.8,61.26 102.97,60.43 102.97,56.25 97.51,50.78 90.77,50.78 87.4,47.41 87.4,45.51 85.26,43.38 81.77,43.38 81.03,42.64 v2(80.98,42.64)
/FT_NCS: length 249
  Top w0.25: J19.39 117.35,80.41 v2(117.48,80.53) ; J14.7 15.7,67.46 v2(15.73,67.49)
  In1.Cu w0.25: J21.B7 123.96,41.85 133.8,41.85 134.2,41.45 134.2,39.9 134.85,39.25 140.59,39.25 141.48,40.14 141.48,41.13 v2(148.8,48.45)
  In2.Cu w0.25: v2(148.8,48.45) 144.54,52.71 136.47,52.71 134.76,54.41 134.76,56.79 124.7,66.85 124.7,78.99 123.16,80.53 v2(117.48,80.53)
  Bottom w0.25: v2(117.48,80.53) 122.67,80.53 123.95,79.25 123.95,73.86 121.8,71.71 120.33,71.71 118.19,69.56 118.19,66.7 111.47,59.97 108.57,59.97 104.99,56.39 103.74,56.39 97.69,50.35 90.91,50.35 87.8,47.24 87.8,45.28 85.73,43.2 85.73,41.77 84.42,40.45 73.29,40.45 72.09,41.65 41.57,41.65 v2(15.73,67.49)
/FT_SCK: length 252.6
  Top w0.25: v2(99.14,84.25) 99.24,84.35 ; v2(128.3,35.7) 125.93,35.7 125.8,35.83 125.23,35.83 124,37.05 124,39.35 J21.B8 ; v2(103.89,79.59) 104.7,80.41 J19.40 ; v2(15.9,75) 15.82,75.08 J14.4
  In1.Cu w0.25: v2(145.29,56.09) 144.12,57.25 133.72,57.25 132.77,56.3 132.77,55.7 132.03,54.95 130.17,54.95 129.82,55.3 129.82,60.3 129.4,60.73 127.72,60.73 122.79,55.79 122.79,55.19 123.02,54.95 107.79,54.95 106.55,56.19 106.55,66.67 102.89,70.33 102.89,74.78 102.06,75.61 102.06,77.77 v2(103.89,79.59) 103.89,79.59 104.67,80.38 104.67,81.06 104.02,81.71 101.5,81.71 99.14,84.07 v2(99.14,84.25)
  In2.Cu w0.25: v2(145.29,56.09) 146.21,56.09 149.57,52.73 149.57,52.6 150,52.18 151.41,52.18 152,51.58 152,40.02 147.78,35.8 144.37,35.8 144.17,35.6 ; v2(128.3,35.7) 128.3,35.65 128.45,35.5 139.85,35.5 140.25,35.1 142.83,35.1 143.31,35.58 144.16,35.58 144.2,35.62
  Bottom w0.25: v2(15.9,75) 16.78,74.12 46.34,74.12 60.29,60.18 71.2,60.18 73.68,62.66 73.68,64.81 75.37,66.5 79.07,66.5 86.14,73.57 86.14,76.48 93.92,84.25 v2(99.14,84.25)
/FT_SDI: length 267
  Top w0.25: v2(94.05,23.95) 95.05,22.95 v2(95.05,21.5) ; J14.6 15.72,70 v2(15.79,69.93) ; v2(117.5,79.57) 117.47,79.6 J19.41
  In1.Cu w0.25: v2(94.05,23.95) 93.99,24.01 93.99,29.41 93.98,29.42 94.39,29.82 94.39,30.21 96.91,32.73 96.91,35.15 87.94,44.13 v2(84.12,44.13)
  Bottom w0.25: J21.B9 127.76,39.74 129,38.5 129,36.7 131.25,36.7 133.86,34.09 133.86,28.17 129.1,23.4 107.1,23.4 105.07,21.37 95.18,21.37 v2(95.05,21.5) ; 99.92,61.38 97.78,59.23 89.2,59.23 79.84,49.87 79.84,47.93 77.58,45.67 65.03,45.67 64.7,46 64.7,56.5 61.92,59.28 59.92,59.28 50.71,68.48 17.24,68.48 v2(15.79,69.93) ; 99.92,61.38 96.45,57.9 96.45,52.15 91.56,52.15 86.98,47.58 86.98,45.68 85.43,44.13 v2(84.12,44.13) ; 99.92,61.38 99.92,62.37 104.39,66.84 104.48,66.84 107.73,70.09 110.73,70.09 113.83,73.19 113.83,73.67 115.99,75.83 117.5,75.83 v2(117.5,79.57)
/FT_SDO: length 307.7
  Top w0.25: v2(163.65,51.15) 163.65,57.37 164.41,58.13 164.41,80.43 166.58,82.61 166.58,100.57 164.6,102.55 152.5,102.55 v2(151.05,101.1) ; J14.5 15.69,72.54 v2(15.8,72.65) ; J21.B10 131.55,39.32 131.55,35.25 v2(132.1,34.7) ; v2(102.4,96.17) 101.8,96.17 97.15,91.53 97.15,87.65 96.17,86.68 96.17,79.83 v2(96.5,79.5) 97.38,78.62 103.88,78.62 104.87,79.6 J19.42
  In2.Cu w0.25: v2(151.3,37.62) 151.3,35.96 148.65,33.32 133.48,33.32 v2(132.1,34.7)
  Bottom w0.25: v2(15.8,72.65) 17.35,71.1 48.73,71.1 60.1,59.73 75.4,59.73 88.19,72.52 89.21,72.52 90.83,74.13 90.83,75.46 92.44,77.07 92.44,77.16 94.79,79.5 v2(96.5,79.5) ; v2(151.05,101.1) 151.05,101.7 149.85,102.9 143.85,102.9 141.75,100.8 121.64,100.8 120.86,101.59 107.81,101.59 v2(102.4,96.17) ; v2(163.65,51.15) 159.5,47 151.3,47 150.9,46.6 150.9,42.66 149.95,41.71 149.95,39.95 151.3,38.6 v2(151.3,37.62)
